# Altium PCB V1.PcbDoc (part 2 of 2)
Units mil, origin at the board's own origin, x right, y up, seen from the top; angles counter-clockwise.
Board outline 2135 x 4240 mil, 6 copper layers (Top Layer, Int1 (GND), Int2 (Sign), Int3 (Sign), Int4 (PWR), Bottom Layer), stack 61.068 mil thick; 157 components, 138 nets, 649 pads, 203 vias.
Unrouted connection lines stored in the file: 30.
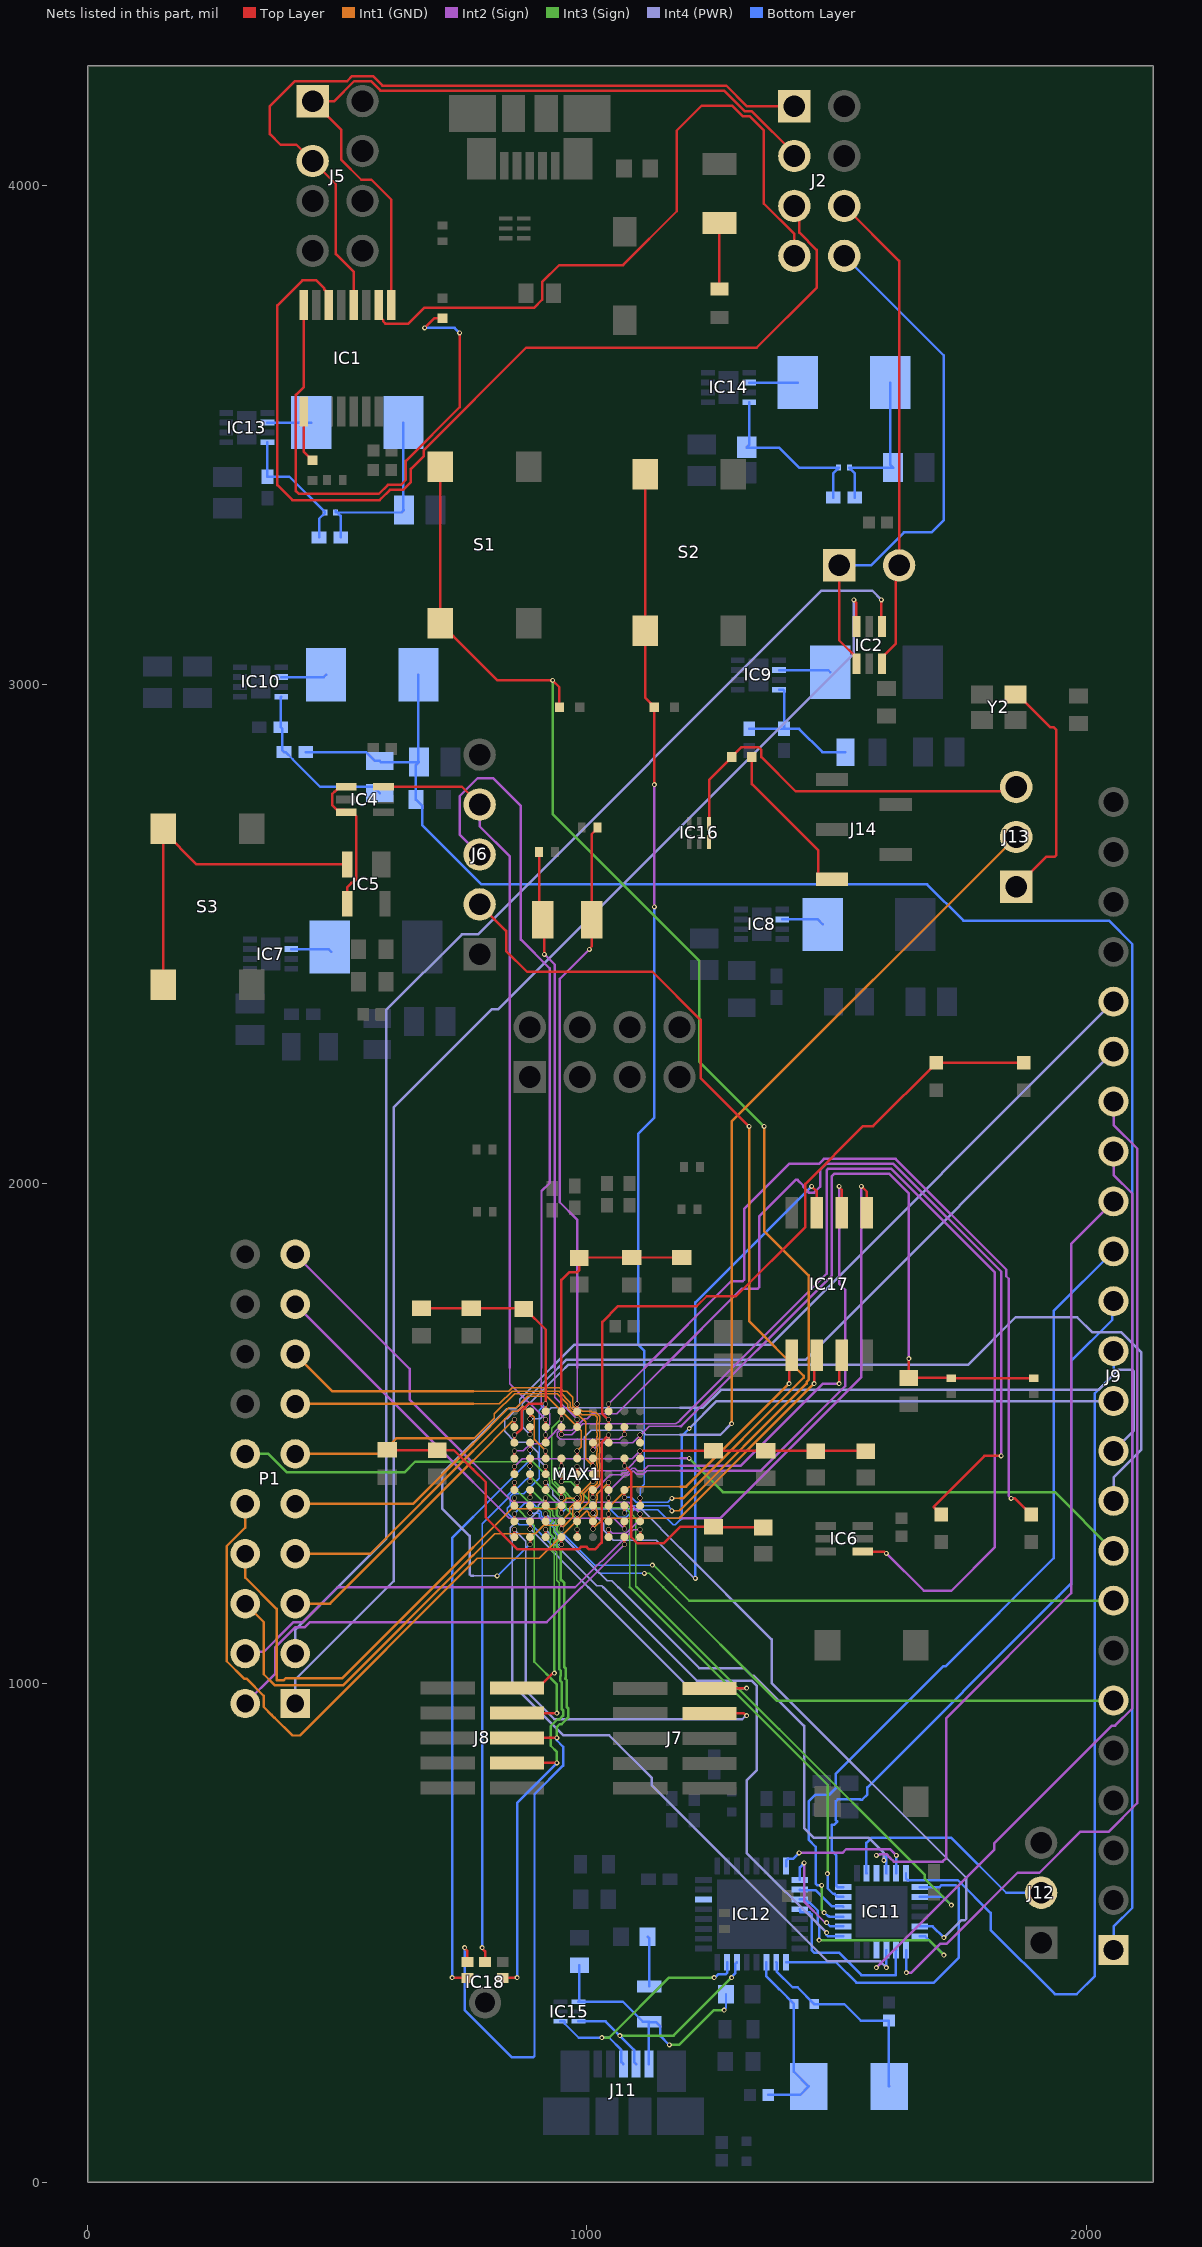
[diagram p6: the nets of this part, all layers, seen from the top]

## Via types
v1: diameter 10, hole 5, Top Layer to Bottom Layer, 122 vias
v2: diameter 10, hole 8, Top Layer to Bottom Layer, 81 vias

## Nets (pads, with @x,y where several pads share a name; then routed paths per layer and width w, separated by ;. In a path a pad name is that pad's centre, name@x,y a point inside that pad or via, vN(x,y) a via of type N, cw(c..) or ccw(c..) an arc to the next point about the centre after c; other vN are vias at no path point) (continued)
NetC26_1: C26.1 C27.2 C29.1 J9.1 L4.2 R13.1 | length 4096.9
  Bottom Layer w5: R13.1@436.65,2865 557.83,2865 575.55,2847.28 C29.1@585,2847.28 587.28,2845 C26.1@663.5,2845 ; L4.2@662.52,3020 662.52,2845.98 C26.1@663.5,2845 ; J9.1@2055,465 2055,511.97 2092.5,549.47 2092.5,2480.53 2045.53,2527.5 1754.13,2527.5 1681.65,2599.98 788.48,2599.98 670.3,2718.16 670.3,2757.15 C27.2@657.44,2770 657.44,2838.94 C26.1@663.5,2845
NetC28_2: C28.2 IC9.4 R11.1 R12.2 | length 299.1
  Bottom Layer w5: R11.1@1325,2911.65 R12.2@1395,2911.65 ; IC9.4@1385,2990 1392.87,2990 1395,2987.87 R12.2@1395,2911.65 ; C28.2@1517.72,2865 1471.75,2865 1425.1,2911.65 R12.2@1395,2911.65
NetC29_2: C29.2 IC10.4 R10.1 R13.2 | length 340.2
  Bottom Layer w5: IC10.4@387.68,2975.94 387.56,2975.94 386.65,2975.04 R10.1@386.65,2915 390,2911.65 390,2868.35 R13.2@393.35,2865 396.3,2865 410.68,2850.62 410.68,2850.26 465.31,2795.63 572.09,2795.63 C29.2@585,2782.72
NetC37_1: C37.1 C39.2 L5.2 R16.1 | length 371.8
  Bottom Layer w5: C39.2@496.65,3345 496.65,3348.32 C39.2@499.97,3345 ; R16.1@506.65,3295 506.65,3338.32 C39.2@499.97,3345 ; L5.2@632.52,3525 632.52,3350.98 C37.1@633.5,3350 628.5,3345 C39.2@499.97,3345
NetC38_1: C38.1 C40.2 L6.2 R17.1 | length 324.6
  Bottom Layer w5: R17.1@1536.65,3375 1536.65,3423.35 1525.83,3434.17 C40.2@1525.83,3435 C38.1@1613.5,3435 1607.52,3440.98 L6.2@1607.52,3605
NetC39_1: C39.1 IC13.4 R15.1 R16.2 | length 269
  Bottom Layer w5: IC13.4@360,3485.63 R15.1@360,3416.65 404.17,3416.65 475,3345.83 C39.1@475,3345 475,3344.17 463.35,3332.52 R16.2@463.35,3295
NetC40_1: C40.1 IC14.4 R14.1 R17.2 | length 357.9
  Bottom Layer w5: IC14.4@1325,3565.94 1325,3480.59 R14.1@1320,3475.59 1320.59,3475 1385,3475 1425,3435 C40.1@1504.17,3435 1504.17,3434.17 1493.35,3423.35 R17.2@1493.35,3375
NetC41_2: C41.2 C42.2 FL1.1 IC15.1 J11.1 | length 560.4
  Int3 (Sign) w5: v1(1165,275) 1184.32,275 1254.32,345 v1(1275,345)
  Bottom Layer w5: IC15.1@983.11,361.69 IC15.1@984.33,361.69 ; C42.2@985,434.45 985,362.36 IC15.1@984.33,361.69 ; J11.1@1124.15,236.73 FL1.1@1124.15,320.73 ; v1(1165,275) 1147.11,292.89 1147.11,312.26 1138.64,320.73 FL1.1@1124.15,320.73 ; v1(1275,345) 1275,346.35 1278.62,349.98 C41.2@1278.62,377.01 ; IC15.1@984.33,361.69 1072.09,361.69 1112.2,321.57 FL1.1@1125,321.57 FL1.1@1124.15,320.73
NetC43_2: C43.2 FL1.2 IC12.30 | length 101.1
  Bottom Layer w5: C43.2@1121.38,492.01 1125,488.39 FL1.2@1125,392.44
NetC45_1: C45.1 IC12.18 R18.2 Y1.1 | length 416.6
  Bottom Layer w5: IC12.18@1379.21,440.55 1380.12,439.65 1380.12,422.55 1411.91,390.76 1421.91,390.76 1455.18,357.5 R18.2@1455.18,357.01 1515.51,357.01 1548.62,323.9 C45.1@1605,323.9 1605,192.72 Y1.1@1605.71,192.01
NetC46_1: C46.1 IC12.19 R18.1 Y1.2 | length 372.2
  Bottom Layer w5: IC12.19@1359.53,440.55 1359.53,412.3 1384.75,387.08 1385.25,387.08 1414.82,357.5 R18.1@1414.82,357.01 1414.82,221.48 Y1.2@1444.29,192.01 1427.28,175 C46.1@1363.11,175
NetC47_2: C47.2 C48.2 MAX1.D8 | length 448.2
  Top Layer w5: MAX1.D8@1075,1450.02 v2(1075,1434.94) 1076.35,1434.94 1088.82,1422.48 1088.82,1292.43 1101.29,1279.96 1153.69,1279.96 1186.81,1313.09 1187.01,1313.09 C47.2@1253.5,1313.09 1254.68,1311.91 C48.2@1353.5,1311.91
NetC51_2: C51.2 C52.2 C53.2 C54.2 MAX1.D9 MAX1.E1 | length 747.9
  Top Layer w5: MAX1.E1@854.53,1418.52 v2(854.53,1433.59) ; MAX1.D9@1106.5,1450.02 v2(1106.5,1465.09) 1107.06,1465.65 C51.2@1253.5,1465.65 C52.2@1358.5,1465.65 1557.32,1465.65 C54.2@1558.5,1464.46
  Int2 (Sign) w3: v2(854.53,1433.59) 870.28,1449.34 1090.75,1449.34 v2(1106.5,1465.09)
NetC55_2: C55.2 C56.2 C57.2 MAX1.A3 MAX1.C1 MAX1.J4 | length 969.2
  Top Layer w5: C55.2@668.5,1750.65 C56.2@768.5,1750.65 872.32,1750.65 C57.2@873.5,1749.46 876.06,1749.46 917.52,1708.01 v2(917.52,1559.57) ; MAX1.C1@854.53,1481.51 v2(854.53,1496.58) 855.88,1496.58 869.6,1510.3 869.6,1545.86 883.32,1559.57 v2(917.52,1559.57) ; MAX1.A3@917.52,1544.5 v2(917.52,1559.57) ; v2(949.02,1277.46) MAX1.J4@949.02,1292.54
  Bottom Layer w3: v2(917.52,1559.57) 905,1547.06 905,1410.4 873.69,1379.1 851.01,1379.1 846.03,1374.12 846.03,1356.03 840,1350 840,1341.61 864.15,1317.46 889.54,1317.46 929.54,1277.46 v2(949.02,1277.46)
NetC58_2: C58.2 MAX1.B8 | length 2054.9
  Top Layer w5: v2(1075,1497.94) MAX1.B8@1075,1513.01 ; C58.2@1710,1337.56 1694.45,1353.11 1796.35,1455 v1(1830,1455)
  Int2 (Sign) w3: v2(1075,1497.94) 1065.15,1488.08 946.85,1488.08 945.49,1489.44 940.52,1494.42 940.52,1501.46 945.49,1506.44 970.89,1506.44 994.45,1530 1000.55,1530 1010.55,1540 1060,1540 1152.02,1632.02
  Int2 (Sign) w5: 1152.02,1632.02 1310,1790 1342.07,1790 1345,1792.93 1345,1935 1417.93,2007.93 1422.07,2007.93 1433.45,1996.55 1433.45,1993.88 1444.82,1982.5 1455.18,1982.5 1466.98,1994.3 1466.98,2028.2 1478.79,2040 1614.14,2040 1830,1824.14 1830,1460
NetC59_2: C59.2 MAX1.A7 | length 1705.6
  Top Layer w5: MAX1.A7@1043.5,1544.5 v2(1043.5,1559.57) ; v1(1850,1370) 1857.56,1370 C59.2@1890,1337.56
  Int2 (Sign) w3: v2(1043.5,1559.57) 1115.95,1632.02
  Int2 (Sign) w5: 1115.95,1632.02 1288.93,1805 1312.07,1805 1315,1807.93 1315,1950 1405,2040 1464.64,2040 1474.64,2050 1618.28,2050 1840,1828.28 1840,1815 1845,1810 1845,1375 v1(1850,1370)
NetC60_2: C60.2 C61.2 MAX1.C7 | length 799.2
  Top Layer w5: C60.2@600,1467.56 601.18,1466.38 C61.2@700,1466.38 733.5,1466.38 772.01,1427.87 797.41,1402.47 797.41,1331.87 861.32,1267.96 982.96,1267.96 987.93,1272.93 999.45,1272.93 1004.42,1267.96 1015.94,1267.96 1029.24,1281.27 1029.24,1482.32 v2(1043.5,1496.58) MAX1.C7@1043.5,1481.51
NetC62_2: C62.2 C63.2 C64.2 MAX1.A4 MAX1.D1 MAX1.J5 | length 962.4
  Top Layer w5: MAX1.D1@854.53,1450.02 v2(854.53,1465.09) ; v2(949.02,1529.43) MAX1.A4@949.02,1544.5 949.02,1807.69 964.13,1822.8 979.87,1822.8 985,1827.93 C62.2@985,1851.38 986.18,1852.56 C63.2@1090,1852.56 C64.2@1190,1852.56 ; MAX1.J5@980.51,1292.54 v2(980.51,1307.61)
  Int2 (Sign) w3: v2(854.53,1465.09) 872.65,1465.09 887.31,1479.74 912.7,1479.74 935.52,1502.56 935.52,1503.53 943.42,1511.44 944.39,1511.44 949.02,1516.06 v2(949.02,1529.43)
  Int3 (Sign) w3: v2(949.02,1529.43) 930,1510.42 930,1412.07 930,1408.71 931.02,1407.69 931.02,1401 951.57,1380.45 952.54,1380.45 957.52,1375.47 957.52,1350.08 980.51,1327.08 v2(980.51,1307.61)
NetC66_2: C66.2 C67.2 MAX1.B7 | length 1326.2
  Top Layer w5: MAX1.B7@1043.5,1513.01 v2(1043.5,1528.08) 1042.15,1528.08 1030.93,1539.3 1030.93,1723.67 1062.27,1755 1220,1755 1240,1775 1298.59,1775 1437.5,1913.91 1437.5,2000.18 1553.05,2115.73 1573.17,2115.73 C66.2@1700,2242.56 C67.2@1875,2242.56
NetC69_2: C69.2 C70.2 C71.2 MAX1.C6 MAX1.C9 | length 1645
  Top Layer w5: v2(1012.01,1466.44) MAX1.C6@1012.01,1481.51 ; MAX1.C9@1106.5,1481.51 v2(1106.5,1496.58) ; v1(1645,1650) C69.2@1645,1611.38 1729.37,1611.38 C70.2@1730,1610.75 C71.2@1895,1610.75
  Int2 (Sign) w3: v2(1012.01,1466.44) 1027.08,1481.51 1091.43,1481.51 v2(1106.5,1496.58) 1124.49,1514.58 1187.01,1514.58
  Int2 (Sign) w5: 1187.01,1514.58 1188.72,1514.58 1490,1815.86 1490,2015 1495,2020 1605.86,2020 1645,1980.86 v1(1645,1650)
NetC73_2: C73.2 MAX1.B5 Y3.1 | length 1183.6
  Top Layer w5: C73.2@904.25,2665 904.25,2536.15 915,2525.4 v1(915,2460) ; MAX1.B5@980.51,1513.01 v2(980.51,1528.08)
  Int2 (Sign) w3: 935.53,1632.02 935.53,1573.06 v2(980.51,1528.08)
  Int2 (Sign) w5: v1(915,2460) 935.53,2439.47 935.53,1632.02
NetC74_2: C74.2 MAX1.A5 Y3.2 | length 1215.5
  Top Layer w5: MAX1.A5@980.51,1544.5 v2(980.51,1559.57) ; v1(1005,2470) 1005,2471.35 1009.72,2476.08 Y3.2@1009.72,2529.1 1009.72,2700.6 1021.26,2712.13 C74.2@1021.26,2714.1
  Int2 (Sign) w3: v2(980.51,1559.57) 980.51,1632.02
  Int2 (Sign) w5: 980.51,1632.02 980.51,1928.31 945.53,1963.29 945.53,2410.53 v1(1005,2470)
NetIC1_1: IC1.1 J2.3 J5.1 | length 1531.6
  Top Layer w5: IC1.1@607.99,3760.87 607.99,3971.7 568.09,4011.6 547.94,4011.6 508.03,4051.51 508.03,4111.58 J5.1@450.51,4169.1 493.97,4169.1 533.95,4209.08 567.07,4209.08 586.15,4190 1275,4190 1315.9,4149.1 1330.04,4149.1 1415.51,4063.63 J2.3@1415.51,4059.1
NetIC1_2: IC1.2 J2.7 | length 1394.7
  Top Layer w5: IC1.2@583.03,3760.87 583.03,3739.4 591.93,3730.5 591.93,3727.73 596.32,3723.33 642.33,3723.33 673.99,3755 894.1,3755 910.22,3771.11 910.22,3806.5 944.49,3840.78 1072.36,3840.78 1180,3948.42 1180,4110 1230,4160 1290.86,4160 1311.76,4139.1 1325.9,4139.1 1354.52,4110.48 1354.52,3963.55 1415.51,3902.56 J2.7@1415.51,3859.1
NetIC1_4: IC1.4 J2.1 J5.3 | length 1586.6
  Top Layer w5: IC1.4@533.03,3760.87 533.03,3826.51 497.03,3862.51 497.03,4002.58 J5.3@450.51,4049.1 417.86,4081.75 386.18,4081.75 365,4102.93 365,4159.16 414.92,4209.08 519.81,4209.08 529.81,4219.08 571.21,4219.08 590.3,4200 1279.14,4200 1320.04,4159.1 J2.1@1415.51,4159.1
NetIC1_6: IC1.6 J2.5 | length 1991.3
  Top Layer w5: IC1.6@483.03,3760.87 483.03,3782.35 474.06,3791.33 474.06,3794.02 458.19,3809.88 429.88,3809.88 380,3760 380,3400 410,3370 585,3370 587.07,3372.07 605.3,3390.3 631.31,3390.3 647.42,3406.4 647.42,3432.42 673.33,3458.33 673.33,3470.11 878.21,3675 1340,3675 1460,3795 1460,3871.15 1425.51,3905.64 1425.51,3949.1 J2.5@1415.51,3959.1
NetIC1_8: IC1.8 R3.2 | length 1070.7
  Top Layer w5: IC1.8@433.03,3760.87 433.03,3596.54 416.97,3580.48 416.97,3388.03 422.93,3382.07 582.93,3382.07 601.15,3400.3 627.17,3400.3 637.42,3410.55 637.42,3448.35 745,3555.93 v1(745,3705) ; v1(675,3715) 693.93,3733.93 R3.2@710.51,3733.93
  Bottom Layer w5: v1(675,3715) 735,3715 v1(745,3705)
NetIC1_9: IC1.9 R5.2 | length 105.4
  Top Layer w5: IC1.9@433.03,3547.33 433.03,3466.44 450.02,3449.46 R5.2@450.51,3449.46
NetIC2_1: IC2.1 J2.8 J3.1 | length 1070.5
  Top Layer w5: J3.1@1505.51,3239.1 1505.51,3088.91 1539.92,3054.5 IC2.1@1539.92,3041.7
  Bottom Layer w5: J3.1@1505.51,3239.1 1568.97,3239.1 1634.87,3305 1690,3305 1715,3330 1715,3617.93 1714.61,3618.31 1714.61,3660 J2.8@1515.51,3859.1
NetIC2_3: IC2.3 J2.6 J3.2 | length 977.2
  Top Layer w5: J2.6@1515.51,3959.1 1625.51,3849.1 J3.2@1625.51,3239.1 1618.31,3231.9 1618.31,3081.7 1591.1,3054.5 IC2.3@1591.1,3041.7
NetIC2_4: IC2.4 P1.3 | length 2766.5
  Top Layer w5: v1(1590,3170) 1590,3117.61 IC2.4@1591.1,3116.5
  Int4 (PWR) w5: P1.3@415.51,1059.1 415.51,1106.74 597.65,1288.88 597.65,2348.22 749.41,2499.98 781.52,2499.98 1470,3188.46 1571.54,3188.46 v1(1590,3170)
NetIC2_6: IC2.6 P1.1 | length 2737.6
  Top Layer w5: v1(1535,3170) 1535,3168.65 1539.92,3163.73 IC2.6@1539.92,3116.5
  Int4 (PWR) w5: P1.1@415.51,959.1 415.51,1006.74 612.76,1203.98 612.76,2152.76 810,2350 822.68,2350 1535,3062.32 v1(1535,3170)
NetIC4_1: IC4.1 IC4.3 IC5.3 | length 298.3
  Top Layer w5: IC4.1@517.6,2795.59 504.8,2795.59 494.59,2785.37 493.82,2785.37 489.43,2780.98 489.43,2759.02 498.67,2749.78 512.22,2749.78 IC4.3@517.6,2744.41 530.39,2744.41 538.33,2736.48 538.33,2611.11 530.05,2602.83 528.28,2602.83 520,2594.55 IC5.3@520,2561.26
NetIC4_6: IC4.6 J6.4 MAX1.B3 | length 1509.2
  Top Layer w5: IC4.6@592.4,2795.59 749.41,2795.59 J6.4@785,2760 ; MAX1.B3@917.52,1513.01 v2(917.52,1528.08)
  Int2 (Sign) w3: 845.53,1632.02 845.53,1600.07 v2(917.52,1528.08)
  Int2 (Sign) w5: J6.4@785,2760 785,2716.54 845.53,2656.01 845.53,1632.02
NetIC5_2: IC5.2 S3.3 S3.4 | length 709.2
  Top Layer w5: S3.4@151.42,2398.5 S3.3@151.42,2706.57 ; S3.3@151.42,2711.5 S3.3@151.42,2706.57 ; IC5.2@520,2640 217.99,2640 S3.3@151.42,2706.57
NetIC6_4: IC6.4 MAX1.B4 | length 2194.5
  Top Layer w5: v2(949.02,1497.94) MAX1.B4@949.02,1513.01 ; IC6.4@1552.91,1263.51 1595.14,1263.51 1598.65,1260 v1(1600,1260)
  Int2 (Sign) w3: v2(949.02,1497.94) 969.85,1497.94 991.49,1519.58 1178.16,1519.58 1181.59,1523.01 1183.01,1523.01 1187.01,1527.01
  Int2 (Sign) w5: 1187.01,1527.01 1480,1820 1480,2027.07 1482.93,2030 1610,2030 1817.5,1822.5 1817.5,1272.5 1730,1185 1675,1185 v1(1600,1260)
NetIC7_2: IC7.2 L1.1 | length 82
  Bottom Layer w5: IC7.2@407.68,2470.31 482.17,2470.31 L1.1@487.48,2465
NetIC8_2: IC8.2 L2.1 | length 85.2
  Bottom Layer w5: IC8.2@1391.34,2529.84 1462.64,2529.84 L2.1@1472.48,2520
NetIC9_2: IC9.2 L3.1 | length 104.3
  Bottom Layer w5: IC9.2@1385,3029.37 1483.11,3029.37 L3.1@1487.48,3025
NetIC10_2: IC10.2 L4.1 | length 91.7
  Bottom Layer w5: IC10.2@387.68,3015.31 472.8,3015.31 L4.1@477.48,3020
NetIC11_1: IC11.1 J9.18 | length 2073.9
  Int2 (Sign) w5: v1(1640,420) 1650,420 1707.5,477.5 1720.18,477.5 1862.66,619.98 1906.52,619.98 1989.04,702.5 2045.53,702.5 2102.5,759.47 2102.5,2070.53 2055,2118.03 J9.18@2055,2165
  Bottom Layer w5: IC11.1@1639.21,465.24 1639.61,464.84 1639.61,420.39 v1(1640,420)
NetIC11_2: IC11.2 IC12.12 | length 342.6
  Bottom Layer w5: IC12.12@1426.46,546.85 1427.36,545.94 1427.36,540.57 1446.3,540.57 1450.69,536.18 1450.69,464.31 1455,460 1505,460 1550,415 1618.62,415 1618.62,464.33 IC11.2@1619.53,465.24
NetIC11_3: IC11.3 MAX1.G3 | length 1461.5
  Top Layer w5: MAX1.G3@917.52,1355.53 v2(917.52,1370.6)
  Int4 (PWR) w3: 850,1192.02 850,1290 846.03,1293.97 846.03,1311.13 863.1,1328.2 885.79,1328.2 902.86,1345.27 902.86,1355.94 v2(917.52,1370.6)
  Int4 (PWR) w5: 850,1192.02 850,998.18 952.85,895.33 1044.67,895.33 1130,810 1130,795 1482.5,442.5 1587.5,442.5 v1(1600,430)
  Bottom Layer w5: IC11.3@1599.84,465.24 1599.92,465.16 1599.92,430.08 v1(1600,430)
NetIC11_4: IC11.4 J9.17 | length 1866.4
  Int2 (Sign) w5: v1(1580,430) 1816.46,666.46 1816.46,679.49 2051.97,915 2058.03,915 2092.5,949.47 2092.5,1980.53 2055,2018.03 J9.17@2055,2065
NetIC11_7: IC11.7 MAX1.J3 | length 1181.8
  Top Layer w5: MAX1.J3@917.52,1292.54 v2(917.52,1307.61)
  Int4 (PWR) w3: v2(917.52,1307.61) 940.52,1284.61 940.52,1273.94 1019.46,1195 1030,1195 1032.98,1192.02
  Int4 (PWR) w5: 1032.98,1192.02 1220,1005 1330,1005 1340,995 1340,825 1320,805 1320,660 v1(1480,500)
  Bottom Layer w5: v1(1480,500) 1479.87,499.87 1479.87,495.72 1482.8,492.8 IC11.7@1513.23,492.8
NetIC11_8: IC11.8 IC12.9 | length 214.2
  Int2 (Sign) w5: v1(1435,640) 1435,562.32 1476.37,520.96 1479.04,520.96 v1(1480,520)
  Bottom Layer w5: IC12.9@1426.46,605.91 1426.46,630.87 1435,639.41 v1(1435,640) ; v1(1480,520) 1487.52,512.48 IC11.8@1513.23,512.48
NetIC11_9: IC11.9 J9.15 | length 1656.8
  Int3 (Sign) w5: v1(1470,595) 1470,546.35 1475,541.35 v1(1475,540)
  Bottom Layer w5: v1(1470,595) 1469.69,595.31 1461.12,595.31 1458.19,598.24 1458.19,672.12 1444,686.31 1444,763.11 1457,776.11 1485.21,776.11 1498.21,789.11 1498.21,818.03 1714.19,1034.01 1719.01,1034.01 1935,1250 1935,1745 J9.15@2055,1865 ; v1(1475,540) 1476.35,540 1483.85,532.5 1485.18,532.5 1485.51,532.17 IC11.9@1513.23,532.17
NetIC11_10: IC11.10 IC12.10 | length 101
  Bottom Layer w5: IC12.10@1426.46,586.22 1427.36,585.31 1458.19,585.31 1490.75,552.76 1512.32,552.76 IC11.10@1513.23,551.85
NetIC11_11: IC11.11 MAX1.D4 | length 1184.6
  Top Layer w5: v2(949.02,1434.94) MAX1.D4@949.02,1450.02
  Int3 (Sign) w3: v2(949.02,1434.94) 935,1420.93 935,1410.78 936.02,1409.76 936.02,1403.07 953.64,1385.45 954.61,1385.45 962.52,1377.54 962.52,1376.57 977.01,1362.08 988.13,1350.96 1076.52,1350.96 1085.5,1341.98 1085.5,1192.68 1086.16,1192.02
  Int3 (Sign) w5: 1086.16,1192.02 1482.5,795.68 1482.5,618.75 v1(1481.88,618.12)
  Bottom Layer w5: v1(1481.88,618.12) 1482.5,617.5 1482.5,588.7 1493.39,577.81 1496.12,577.81 1502.4,571.54 IC11.11@1513.23,571.54
NetIC11_12: IC11.12 J9.14 | length 1459.4
  Bottom Layer w5: IC11.12@1513.23,591.22 1502.4,591.22 1499,594.63 1499,655.36 1490.1,664.26 1490.1,716.51 1495.75,716.51 1501.72,722.48 1498.21,725.99 1498.21,762.91 1502.6,767.3 1547.4,767.3 1547.99,766.71 1551.54,766.71 1561.79,776.96 1561.79,791.11 1945,1174.31 1970,1199.31 1970,1645.06 2052.44,1727.5 2052.44,1762.44 J9.14@2055,1765
NetIC11_14: IC11.14 J12.2 | length 461.1
  Bottom Layer w5: IC11.14@1560.47,618.78 1560,619.25 1560,680 1570,690 1730,690 1840,580 J12.2@1910,580
NetIC11_15: IC11.15 J9.16 | length 1604.1
  Int2 (Sign) w5: v1(1580,655) 1580.96,655.96 1585.96,655.96 1587.32,657.32 1600.18,657.32 1607.5,650 1607.5,649.82 1614.82,642.5 1712.5,642.5 1720,650 1720,930 1970,1180 1970,1880 J9.16@2055,1965
NetIC11_16: IC11.16 MAX1.H3 | length 1163.2
  Top Layer w5: MAX1.H3@917.52,1324.03 v2(917.52,1339.1)
  Int4 (PWR) w3: v2(917.52,1339.1) 940.52,1316.11 940.52,1305.44 1040.96,1205 1050,1205 1062.98,1192.02
  Int4 (PWR) w5: 1062.98,1192.02 1225,1030 1315,1030 1330,1015 1334.14,1015 1435,914.14 1435,710 1455,690 1565,690 1595,660 v1(1595,644.82)
  Bottom Layer w5: v1(1595,644.82) 1595,650 1599.92,654.92 1599.92,618.86 IC11.16@1599.84,618.78
NetIC11_17: IC11.17 IC12.8 | length 283.1
  Int2 (Sign) w5: v1(1425,660) 1512.02,660 1519.52,667.5 1607.5,667.5 v1(1620,655)
  Bottom Layer w5: IC12.8@1398.9,633.46 1398.9,644.29 1402.3,647.7 1412.7,647.7 v1(1425,660) ; IC11.17@1619.53,618.78 1619.76,619.02 1619.76,654.76 v1(1620,655)
NetIC11_18: IC11.18 J9.13 | length 1786.5
  Bottom Layer w5: IC11.18@1639.21,618.78 1639.21,608.41 1642.62,605 1743.28,605 1808.85,539.44 1808.85,505.58 1937.36,377.07 1981.21,377.07 2017.5,413.36 2017.5,1580.53 2055,1618.03 J9.13@2055,1665
NetIC11_19: IC11.19 IC12.17 | length 605
  Bottom Layer w5: IC12.17@1398.9,440.55 1499.43,440.55 1539.98,400 1695,400 1745,450 1745,589.14 1739.14,595 1710.26,595 1706.48,591.22 IC11.19@1666.77,591.22
NetIC11_20: IC11.20 MAX1.E4 | length 1307
  Top Layer w5: v2(949.02,1403.45) MAX1.E4@949.02,1418.52
  Int3 (Sign) w3: v2(949.02,1403.45) 967.14,1403.45 1008.49,1362.1 1065.38,1362.1 1071.52,1355.96 1081.42,1355.96 1090.5,1346.88 1090.5,1336.98 1098,1329.48 1098,1194.33 1100.3,1192.02
  Int3 (Sign) w5: 1100.3,1192.02 1384.87,907.46 1385.22,907.46 1677.11,615.57 1677.11,607.89 v1(1730,555)
  Bottom Layer w5: IC11.20@1666.77,571.54 1713.46,571.54 v1(1730,555)
NetIC11_23: IC11.23 MAX1.F3 | length 1443.5
  Top Layer w5: MAX1.F3@917.52,1387.02 v2(917.52,1402.09)
  Int4 (PWR) w3: v2(917.52,1402.09) 931.99,1387.63 931.99,1376.96 959.99,1348.96 1108.66,1348.96 1187.01,1270.61
  Int4 (PWR) w5: 1187.01,1270.61 1370,1087.62 1370,1000 1760,610 1760,527.93 1757.07,525 1750,525 v1(1715,490)
  Bottom Layer w5: IC11.23@1666.77,512.48 1692.52,512.48 v1(1715,490)
NetIC11_24: IC11.24 IC12.11 | length 432
  Int3 (Sign) w5: v1(1465,485) 1685,485 v1(1715,455)
  Bottom Layer w5: IC12.11@1426.46,566.54 1437.28,566.54 1443.56,560.26 1446.3,560.26 1462.5,544.05 1462.5,516.45 1465,513.95 v1(1465,485) ; IC11.24@1666.77,492.8 1677.6,492.8 1715,455.39 v1(1715,455)
NetIC12_22: IC12.22 IC15.3 J11.2 | length 472.2
  Int3 (Sign) w5: v1(1066.13,293.74) 1173.74,293.74 v1(1290,410)
  Bottom Layer w5: IC15.3@983.11,322.32 1037.55,322.32 1094.7,265.17 1094.7,240.59 J11.2@1098.56,236.73 ; v1(1290,410) 1290,411.35 1297.07,418.42 1297.07,437.15 IC12.22@1300.47,440.55
NetIC12_23: IC12.23 IC15.4 J11.3 | length 504
  Int3 (Sign) w5: v1(1030,290) 1044.7,290 1164.7,410 v1(1255,410)
  Bottom Layer w5: IC15.4@946.89,322.32 955,322.32 955.67,321.65 955.67,317.51 983.67,289.51 1044.77,289.51 1069.11,265.17 1069.11,240.59 J11.3@1072.97,236.73 ; v1(1255,410) 1256.35,410 1262.67,416.32 1277.86,416.32 1280.79,419.25 IC12.23@1280.79,440.55
NetIC13_2: IC13.2 L5.1 | length 87.5
  Bottom Layer w5: IC13.2@360,3525 L5.1@447.48,3525
NetIC14_2: IC14.2 L6.1 | length 97.6
  Bottom Layer w5: IC14.2@1325,3605.31 1422.17,3605.31 L6.1@1422.48,3605
NetIC16_3: IC16.3 IC16.4 J13.3 R19.1 | length 815.5
  Top Layer w5: IC16.3@1244.68,2685 IC16.4@1244.68,2721.22 1244.68,2809.19 1290,2854.51 R19.1@1290,2855 1290,2855.49 1309.35,2874.84 1343.85,2874.84 1349.7,2868.98 1349.7,2855 1418.09,2786.61 1851.61,2786.61 J13.3@1860,2795
NetIC17_1: IC17.1 MAX1.J7 | length 1093.9
  Top Layer w5: MAX1.J7@1043.5,1292.54 v2(1043.5,1307.61) ; v1(1550,1995) 1560.51,1984.49 IC17.1@1560.51,1941.82
  Int2 (Sign) w3: v2(1043.5,1307.61) 1051.11,1300 1078.06,1300 1083.5,1305.44 1083.5,1305.57 1108.53,1330.6 1187.01,1330.6
  Int2 (Sign) w5: 1187.01,1330.6 1267.42,1330.6 1550,1613.18 v1(1550,1995)
NetIC17_2: IC17.2 MAX1.G7 | length 1056.4
  Top Layer w5: MAX1.G7@1043.5,1355.53 v2(1043.5,1370.6) ; v1(1505,1995) 1505,1993.65 1510.51,1988.14 IC17.2@1510.51,1941.82
  Int2 (Sign) w3: v2(1043.5,1370.6) 1043.5,1383.97 1075.98,1416.44 1082.66,1416.44 1087.64,1421.42 1089.06,1421.42 1092.72,1425.09 1093.08,1425.09 1100.08,1418.09 1112.92,1418.09 1119.92,1425.09 1187.01,1425.09
  Int2 (Sign) w5: 1187.01,1425.09 1347.77,1425.09 1517.5,1594.82 1517.5,1787.98 1505,1800.48 v1(1505,1995)
NetIC17_3: IC17.3 MAX1.G6 | length 1223.8
  Top Layer w5: v2(1012.01,1340.46) MAX1.G6@1012.01,1355.53 ; v1(1450,1995) 1460.51,1984.49 IC17.3@1460.51,1941.82
  Int4 (PWR) w3: v2(1012.01,1340.46) 1033.24,1319.23 1033.24,1305.85 1053.12,1285.96 1139.04,1285.96 1187.01,1237.99
  Int4 (PWR) w5: 1187.01,1237.99 1215,1210 v1(1217.5,1210) v1@1220,1210
  Bottom Layer w5: v1(1217.5,1210) 1217.5,1762.5 v1(1450,1995)
NetIC17_5: IC17.5 MAX1.H7 | length 551.1
  Top Layer w5: MAX1.H7@1043.5,1324.03 v2(1043.5,1339.1) ; v1(1405,1600) 1405,1650.87 IC17.5@1410.51,1656.39
  Int1 (GND) w3: v2(1043.5,1339.1) 1043.5,1352.48 1084.62,1393.59 1187.01,1393.59
  Int1 (GND) w5: 1187.01,1393.59 1198.59,1393.59 v1(1405,1600)
NetIC17_6: IC17.6 MAX1.H6 | length 637.3
  Top Layer w5: v2(1012.01,1308.96) MAX1.H6@1012.01,1324.03 ; v1(1455,1600) 1455,1650.87 IC17.6@1460.51,1656.39
  Int1 (GND) w3: v2(1012.01,1308.96) 1033.65,1330.6 1185.6,1330.6 1187.01,1332.01
  Int1 (GND) w5: 1187.01,1332.01 v1(1455,1600)
NetIC17_7: IC17.7 MAX1.F6 | length 671.7
  Top Layer w5: v2(1012.01,1371.95) MAX1.F6@1012.01,1387.02 ; v1(1505,1600) 1505,1650.87 IC17.7@1510.51,1656.39
  Int2 (Sign) w3: v2(1012.01,1371.95) 1012.96,1372.91 1012.96,1383.58 1047.24,1417.85 1069.93,1417.85 1072.17,1420.09 1073.52,1421.44 1080.59,1421.44 1085.57,1426.42 1086.99,1426.42 1090.5,1429.94 1090.5,1430.09 1095.71,1430.09 1100.71,1425.09 1112.85,1425.09 1122.85,1435.09 1187.01,1435.09
  Int2 (Sign) w5: 1187.01,1435.09 1307.77,1435.09 1472.68,1600 v1(1505,1600)
NetIC18_1: IC18.1 J8.6 MAX1.E2 | length 1695.1
  Top Layer w5: v1(755,470) 755,468.65 760.51,463.14 IC18.1@760.51,441.46 ; J8.6@860,890 v1(940,890) ; v2(886.02,1403.45) MAX1.E2@886.02,1418.52
  Int3 (Sign) w3: v2(886.02,1403.45) 887.36,1404.79 887.36,1409.02 889.24,1410.9 940,1360.14
  Int3 (Sign) w5: v1(940,890) 940,912.02 945.48,917.5 949.32,917.5 962.5,930.68 962.5,949.32 960,951.82 960,1005.61 956.21,1009.39 957.5,1010.68 957.5,1029.32 955,1031.82 955,1200.31 949.14,1206.17 948,1206.17 948,1267.96 945.08,1267.96 939.52,1273.53 939.52,1281.4 945.08,1286.96 948,1286.96 948,1299.46 945.08,1299.46 939.52,1305.03 939.52,1312.9 945.08,1318.46 948,1318.46 948,1330.96 945.08,1330.96 939.52,1336.52 939.52,1344.39 941.08,1345.95 940,1347.03 940,1360.14
  Bottom Layer w5: v1(755,470) 755,344.94 849.94,250 892.07,250 895,252.93 895,777.32 952.5,834.82 952.5,872.5 939.57,885.43 939.57,889.57 v1(940,890)
NetIC18_2: IC18.2 MAX1.C2 | length 1167
  Top Layer w5: v1(730,410) 759.61,410 IC18.2@760.51,409.1 ; v2(886.02,1466.44) MAX1.C2@886.02,1481.51
  Bottom Layer w3: 772.01,1332.95 886.02,1446.97 v2(886.02,1466.44)
  Bottom Layer w5: v1(730,410) 730,1290.94 772.01,1332.95
NetIC18_4: IC18.4 J8.8 MAX1.F2 | length 1201.3
  Top Layer w5: IC18.4@831.38,409.1 832.28,410 v1(860,410) ; J8.8@860,840 v1(940,840) ; v2(886.02,1371.95) MAX1.F2@886.02,1387.02
  Int3 (Sign) w3: v2(886.02,1371.95) 886.02,1383.69 887.78,1385.45 890.27,1385.45 931.52,1344.2 931.52,1336.04 937.94,1329.61 937.94,1319.81 933.52,1315.38 933.52,1302.54 937.94,1298.11 937.94,1288.31 933.52,1283.88 933.52,1268.22 940,1261.73 940,1205.68 945,1200.68 945,1192.02
  Int3 (Sign) w5: v1(940,840) 940,862.02 927.5,874.52 927.5,913.66 941.34,927.5 945.18,927.5 952.5,934.82 952.5,945.18 950,947.68 950,1001.46 946.21,1005.25 946.21,1013.54 947.5,1014.82 947.5,1025.18 945,1027.68 945,1192.02
  Bottom Layer w5: v1(860,410) 860,760 v1(940,840)
NetIC18_6: IC18.6 MAX1.D2 | length 1054.1
  Top Layer w5: v1(790,470) 790,468.65 795.94,462.7 IC18.6@795.94,441.46 ; v2(886.02,1434.94) MAX1.D2@886.02,1450.02
  Bottom Layer w3: 790,1192.02 790,1319.45 841.03,1370.47 841.03,1376.19 848.94,1384.1 854.65,1384.1 870.5,1399.95 886.02,1415.47 v2(886.02,1434.94)
  Bottom Layer w5: v1(790,470) 790,1192.02
NetJ6_2: J6.2 MAX1.F8 | length 1846.2
  Top Layer w5: J6.2@785,2560 838.24,2506.76 838.24,2466.76 880,2425 1131.15,2425 1227.6,2328.56 1227.6,2212.4 v1(1325,2115) ; v2(1075,1371.95) MAX1.F8@1075,1387.02
  Int1 (GND) w3: v1(1170,1370) 1187.01,1370
  Int1 (GND) w5: 1187.01,1370 1192.68,1370 1434.27,1611.59 1434.27,1615.73 1325,1725 v1(1325,2115)
  Bottom Layer w3: v2(1075,1371.95) 1088.53,1371.95 1098.38,1362.1 1162.1,1362.1 v1(1170,1370)
NetJ6_3: J6.3 MAX1.C3 | length 1611
  Top Layer w5: MAX1.C3@917.52,1481.51 v2(917.52,1496.58)
  Int2 (Sign) w3: 909.02,1632.02 909.02,1556.05 926.02,1539.05 926.02,1519.02 917.52,1510.52 v2(917.52,1496.58)
  Int2 (Sign) w5: J6.3@785,2660 745,2700 745,2776.54 781.39,2812.93 812.07,2812.93 867.75,2757.25 867.75,2489.58 925.49,2431.83 925.49,2002.18 909.02,1985.71 909.02,1632.02
NetJ7_2: J7.2 MAX1.H2 | length 656
  Top Layer w5: v2(886.02,1308.96) MAX1.H2@886.02,1324.03 ; J7.2@1245.51,989.1 1246.41,990 v1(1320,990)
  Int4 (PWR) w3: v2(886.02,1308.96) 1002.96,1192.02
  Int4 (PWR) w5: 1002.96,1192.02 1204.98,990 v1(1320,990)
NetJ7_4: J7.4 MAX1.J1 | length 892.9
  Top Layer w5: MAX1.J1@854.53,1292.54 v2(854.53,1307.61) ; J7.4@1245.51,939.1 1314.54,939.1 1318.65,935 v1(1320,935)
  Int4 (PWR) w3: v2(854.53,1307.61) 877.52,1284.61 877.52,1192.02
  Int4 (PWR) w5: 877.52,1192.02 877.52,984.8 934.82,927.5 1311.15,927.5 1318.65,935 v1(1320,935)
NetJ8_2: J8.2 MAX1.F1 | length 541.9
  Top Layer w5: MAX1.F1@854.53,1387.02 v2(854.53,1402.09) ; J8.2@860,990 901.73,990 930.78,1019.04 934.04,1019.04 v1(935,1020)
  Int3 (Sign) w3: v2(854.53,1402.09) 855.48,1401.14 855.48,1390.47 894.44,1351.52 917.13,1351.52 926.52,1342.13 926.52,1331.14 932.94,1324.71 926.52,1318.28 926.52,1299.64 932.94,1293.21 926.52,1286.78 926.52,1268.14 935,1259.66 935,1192.02
  Int3 (Sign) w5: v1(935,1020) 935,1192.02
NetJ8_4: J8.4 MAX1.G1 | length 563.8
  Top Layer w5: MAX1.G1@854.53,1355.53 v2(854.53,1370.6) ; J8.4@860,940 v1(940,940)
  Int3 (Sign) w3: v2(854.53,1370.6) 853.19,1369.26 853.19,1363.7 851.24,1361.76 851.24,1358.76 894.52,1315.48 894.52,1192.02
  Int3 (Sign) w5: 894.52,1192.02 894.52,1042.8 940,997.32 v1(940,940)
NetJ9_6: J9.6 MAX1.G2 | length 1347
  Top Layer w5: v2(886.02,1340.46) MAX1.G2@886.02,1355.53
  Int3 (Sign) w3: v1(1115,1220) 1125,1220 1152.98,1192.02
  Int3 (Sign) w5: 1152.98,1192.02 1380,965 J9.6@2055,965
  Bottom Layer w3: v2(886.02,1340.46) 904.02,1340.46 904.02,1333.51 911.93,1325.6 919,1325.6 935.52,1309.09 935.52,1303.37 943.42,1295.46 949.14,1295.46 1013.34,1231.26 1024.6,1220 v1(1115,1220)
NetJ9_8: J9.8 MAX1.H1 | length 1314.2
  Top Layer w5: MAX1.H1@854.53,1324.03 v2(854.53,1339.1)
  Int3 (Sign) w3: v1@1130,1235 v1(1131.26,1236.26) 1133.74,1236.26 1177.98,1192.02
  Int3 (Sign) w5: 1177.98,1192.02 1205,1165 J9.8@2055,1165
  Bottom Layer w3: v2(854.53,1339.1) 875.43,1360 891.55,1360 909.02,1342.53 909.02,1335.58 914,1330.6 921.07,1330.6 940.52,1311.16 940.52,1305.44 945.49,1300.46 951.21,1300.46 1015.41,1236.26 v1(1131.26,1236.26)
NetJ9_9: J9.9 MAX1.E5 | length 1179.4
  Top Layer w5: MAX1.E5@980.51,1418.52 v2(980.51,1433.59)
  Int2 (Sign) w3: v2(980.51,1433.59) 989.01,1425.09 1070.1,1425.09 1071.45,1426.44 1078.52,1426.44 1083.5,1431.42 1083.5,1432.16 ; 1084.5,1432.42 1102.08,1450 1187.01,1450
  Int2 (Sign) w5: 1187.01,1450 v1(1205,1450)
  Int3 (Sign) w5: v1(1205,1450) 1272.5,1382.5 1937.5,1382.5 J9.9@2055,1265
NetJ9_10: J9.10 MAX1.B2 | length 1735.4
  Top Layer w5: v2(886.02,1497.94) MAX1.B2@886.02,1513.01
  Int4 (PWR) w3: v2(886.02,1497.94) 871.24,1512.72 871.24,1546.24 957.02,1632.02
  Int4 (PWR) w5: 957.02,1632.02 962.5,1637.5 1763.23,1637.5 1858.66,1732.93 1982.07,1732.93 2012.5,1702.5 2070.53,1702.5 2110,1663.03 2110,1466.97 2055,1411.97 J9.10@2055,1365
NetJ9_11: J9.11 MAX1.A2 | length 1442.6
  Top Layer w5: v2(886.02,1529.43) MAX1.A2@886.02,1544.5
  Int4 (PWR) w3: v2(886.02,1529.43) 906.85,1529.43 928.49,1551.07 1187.01,1551.07
  Int4 (PWR) w5: 1187.01,1551.07 1231.93,1551.07 1268.36,1587.5 2024.47,1587.5 2064.47,1627.5 2070.53,1627.5 2070.96,1627.93 2092.07,1627.93 2095,1625 2095,1505 J9.11@2055,1465
NetJ9_12: J9.12 MAX1.G4 | length 1349.9
  Top Layer w5: v2(949.02,1340.46) MAX1.G4@949.02,1355.53
  Int4 (PWR) w5: v1(1205,1510) 1260,1565 J9.12@2055,1565
  Bottom Layer w3: v2(949.02,1340.46) 957.52,1348.96 1045.67,1348.96 1062.67,1331.96 1078.52,1331.96 1094.17,1347.6 1142.4,1347.6 1172.93,1317.07 1176.66,1317.07 1187.01,1327.42
  Bottom Layer w5: 1187.01,1327.42 1190.35,1330.76 1190.35,1495.35 v1(1205,1510)
NetJ9_19: J9.19 MAX1.E3 | length 1687.5
  Top Layer w5: MAX1.E3@917.52,1418.52 v2(917.52,1433.59)
  Int4 (PWR) w3: v2(917.52,1433.59) 902.86,1448.25 902.86,1461.62 881.63,1482.86 856.23,1482.86 835,1504.09 835,1528.24 836.76,1530 840.86,1530 854.93,1544.07 860.95,1544.07 870.03,1553.15 870.03,1559.17 938.88,1628.02 942.88,1632.02
  Int4 (PWR) w5: 942.88,1632.02 958.36,1647.5 1437.5,1647.5 J9.19@2055,2265
NetJ9_20: J9.20 MAX1.J2 | length 2130.5
  Top Layer w5: v2(886.02,1277.46) MAX1.J2@886.02,1292.54
  Int4 (PWR) w3: 772.01,1215 v1(820,1215) ; 772.01,1482.01 839.07,1549.07 856.05,1549.07 865.03,1558.05 865.03,1568.31 928.74,1632.02
  Int4 (PWR) w5: 772.01,1215 767.93,1215 765,1217.93 765,1295 710,1350 710,1420 772.01,1482.01 ; 928.74,1632.02 974.22,1677.5 1367.5,1677.5 J9.20@2055,2365
  Bottom Layer w3: v1(820,1215) 821.78,1215 884.24,1277.46 v2(886.02,1277.46)
NetJ13_1: J13.1 Y2.3 | length 468.9
  Top Layer w5: Y2.3@1858.46,2980.59 1862.4,2980.59 1927.99,2915 1935,2915 1940,2910 1940,2657.93 1937.07,2655 1920,2655 J13.1@1860,2595
NetJ13_2: J13.2 MAX1.F5 | length 1836.6
  Top Layer w5: MAX1.F5@980.51,1387.02 v2(980.51,1402.09)
  Int1 (GND) w5: v1(1290,1520) 1290,2125 J13.2@1860,2695
  Int4 (PWR) w3: v2(980.51,1402.09) 994.98,1416.56 994.98,1492.93 1008.49,1506.44 1108.66,1506.44 1117.6,1497.5 1187.01,1497.5
  Int4 (PWR) w5: 1187.01,1497.5 1267.5,1497.5 v1(1290,1520)
NetJ14_1: J14.1 R19.2 | length 322.7
  Top Layer w5: R19.2@1330.35,2855 1330.35,2800.87 1463.54,2667.68 1463.54,2618.39 1471.93,2610 J14.1@1491.02,2610
NetLED1_2: LED1.2 R4.1 | length 132.4
  Top Layer w5: R4.1@1265.51,3792.65 LED1.2@1265.51,3925.05
NetMAX1_B1: MAX1.B1 P1.5 | length 606.9
  Top Layer w5: MAX1.B1@854.53,1513.01 v2(854.53,1528.08)
  Int1 (GND) w3: 772.01,1445.56 v2(854.53,1528.08)
  Int1 (GND) w5: P1.5@415.51,1159.1 485.55,1159.1 772.01,1445.56
NetMAX1_D3: MAX1.D3 P1.7 | length 704.3
  Top Layer w5: MAX1.D3@917.52,1450.02 v2(917.52,1465.09)
  Int1 (GND) w3: 772.01,1465.03 776.01,1469.03 851.05,1544.07 860.95,1544.07 870.03,1553.15 870.03,1555 872.48,1555 894.52,1532.95 894.52,1488.08 v2(917.52,1465.09)
  Int1 (GND) w5: P1.7@415.51,1259.1 566.08,1259.1 772.01,1465.03
NetMAX1_D5: MAX1.D5 P1.9 | length 751
  Top Layer w5: MAX1.D5@980.51,1450.02 v2(980.51,1465.09)
  Int1 (GND) w3: 772.01,1479.18 843.91,1551.07 858.05,1551.07 881.97,1575 920,1575 989.01,1505.99 989.01,1473.59 v2(980.51,1465.09)
  Int1 (GND) w5: P1.9@415.51,1359.1 651.93,1359.1 772.01,1479.18
NetMAX1_D6: MAX1.D6 P1.11 | length 774.3
  Top Layer w5: v2(1012.01,1434.94) MAX1.D6@1012.01,1450.02
  Int1 (GND) w3: 772.01,1490.33 774.67,1490.33 814.84,1530.49 814.84,1539.84 855,1580 940.61,1580 962.01,1558.6 962.01,1553.98 962.01,1551.91 977.35,1536.58 984.03,1536.58 986.11,1534.5 997.35,1523.26 997.35,1449.6 v2(1012.01,1434.94)
  Int1 (GND) w5: P1.11@415.51,1459.1 586.79,1459.1 618.02,1490.33 772.01,1490.33
NetMAX1_E6: MAX1.E6 P1.6 | length 1025.9
  Top Layer w5: v2(1012.01,1403.45) MAX1.E6@1012.01,1418.52
  Int1 (GND) w3: 772.01,1256.15 814.96,1299.11 897,1299.11 914,1316.11 941.1,1316.11 966.01,1341.02 966.01,1351.15 976.96,1362.1 984.03,1362.1 989.01,1367.08 989.01,1374.12 986.86,1376.28 986.86,1380.42 1006.39,1399.95 1006.61,1399.95 1010.11,1403.45 v2(1012.01,1403.45)
  Int1 (GND) w5: P1.6@315.51,1159.1 352.54,1122.07 352.54,1017.68 374.34,995.88 382.63,995.88 382.88,996.13 511.99,996.13 772.01,1256.15
NetMAX1_F4: MAX1.F4 P1.12 | length 710.6
  Top Layer w5: v2(949.02,1371.95) MAX1.F4@949.02,1387.02
  Int3 (Sign) w3: 772.01,1443.44 891.56,1443.44 925,1410 925,1406.63 926.02,1405.62 926.02,1394.95 v2(949.02,1371.95)
  Int3 (Sign) w5: P1.12@315.51,1459.1 361.98,1459.1 399.01,1422.07 634.6,1422.07 655.97,1443.44 772.01,1443.44
NetMAX1_F7: MAX1.F7 P1.10 | length 1436.5
  Top Layer w5: MAX1.F7@1043.5,1387.02 v2(1043.5,1402.09)
  Int1 (GND) w3: 772.01,1242.01 780,1250 905,1250 999.74,1344.74 1003.51,1340.97 1003.51,1336.94 1008.49,1331.96 1015.53,1331.96 1020.51,1336.94 1020.51,1343.98 1018.3,1346.19 1018.3,1366.22 1020.51,1368.43 1020.51,1375.47 1018.7,1377.29 v2(1043.5,1402.09)
  Int1 (GND) w5: P1.10@315.51,1359.1 315.51,1311.47 278.48,1274.44 278.48,1043.77 313.15,1009.1 317.88,1009.1 352.54,974.44 352.54,952.41 368.48,936.47 368.48,936.16 374.34,930.31 374.65,930.31 409.95,895 425,895 772.01,1242.01
NetMAX1_G5: MAX1.G5 P1.8 | length 1047.5
  Top Layer w5: MAX1.G5@980.51,1355.53 v2(980.51,1370.6)
  Int1 (GND) w3: 772.01,1272.01 848.96,1348.96 938.04,1348.96 959.68,1370.6 v2(980.51,1370.6)
  Int1 (GND) w5: P1.8@315.51,1259.1 315.51,1211.47 378.48,1148.49 378.48,1005.88 378.74,1006.13 392.88,1006.13 396.75,1010 510,1010 772.01,1272.01
NetMAX1_G8: MAX1.G8 R1.1 S1.3 S1.4 | length 2769.6
  Top Layer w5: S1.3@706.42,3436.5 S1.4@706.42,3123.5 706.42,3118.58 727.01,3097.99 731.93,3097.99 821.08,3008.84 v1(931.16,3008.84) 945,2995 R1.1@945,2955 ; v2(1075,1340.46) MAX1.G8@1075,1355.53
  Int3 (Sign) w5: v1(931.16,3008.84) 931.16,2741.16 1225.49,2446.83 1225.49,2244.51 v1(1355,2115)
  Int1 (GND) w3: v1(1170,1345) 1185,1345 1187.01,1347.01
  Int1 (GND) w5: 1187.01,1347.01 1440,1600 1440,1603.18 1444.27,1607.45 1444.27,1816.59 1355,1905.86 v1(1355,2115)
  Bottom Layer w3: v2(1075,1340.46) 1089.54,1355 1165,1355 1165,1351.89 1170,1346.89 v1(1170,1345)
NetMAX1_G9: MAX1.G9 R2.1 S2.3 S2.4 | length 2095.8
  Top Layer w5: MAX1.G9@1106.5,1355.53 v2(1106.5,1370.6) ; S2.3@1116.42,3421.5 S2.4@1116.42,3108.5 1116.42,2974.07 1135,2955.49 R2.1@1135,2955 v1(1135,2800)
  Int2 (Sign) w5: v1(1135,2555) v1(1135,2800)
  Bottom Layer w3: v2(1106.5,1370.6) 1106.5,1390.07 1115,1398.57 1115,1632.02
  Bottom Layer w5: 1115,1632.02 1115,1665.63 1102.5,1678.12 1102.5,2100.31 1135,2132.81 v1(1135,2555)
NetMAX1_H4: MAX1.H4 P1.13 | length 922.5
  Top Layer w5: v2(949.02,1308.96) MAX1.H4@949.02,1324.03
  Int1 (GND) w3: 772.01,1559.1 824.2,1559.1 850.1,1585 944.1,1585 967.01,1562.08 967.01,1553.98 979.42,1541.58 986.1,1541.58 989.75,1537.93 1015.53,1537.93 1020.51,1532.95 1020.51,1525.91 1020,1525.4 1020,1501.97 1020.51,1501.46 1020.51,1494.42 1020,1493.91 1020,1470.47 1020.51,1469.96 1020.51,1463.86 1020,1463.35 1020,1438.97 1020.51,1438.47 1020.51,1431.42 1020,1430.92 1020,1407.48 1020.51,1406.97 1020.51,1399.93 1015.53,1394.95 1008.46,1394.95 991.86,1378.35 994.01,1376.19 994.01,1365.01 986.1,1357.1 979.03,1357.1 972.01,1350.08 972.01,1331.96 v2(949.02,1308.96)
  Int1 (GND) w5: P1.13@415.51,1559.1 772.01,1559.1
NetMAX1_H5: MAX1.H5 P1.15 | length 912.6
  Top Layer w5: MAX1.H5@980.51,1324.03 v2(980.51,1339.1)
  Int1 (GND) w3: 772.01,1585 843.03,1585 850.03,1592 945.58,1592 952.58,1585 960,1585 972.01,1572.99 972.01,1556.05 981.49,1546.58 988.17,1546.58 990.25,1544.5 1008.96,1544.5 1010.53,1542.93 1017.6,1542.93 1025.51,1535.03 1025.51,1523.84 1025,1523.33 1025,1504.04 1025.51,1503.53 1025.51,1492.35 1025,1491.84 1025,1472.54 1025.51,1472.03 1025.51,1461.79 1025.51,1460.85 1025,1460.34 1025,1441.04 1025.51,1440.54 1025.51,1429.35 1025,1428.85 1025,1409.55 1025.51,1409.04 1025.51,1397.86 1017.6,1389.95 1010.53,1389.95 1003.51,1382.93 1003.51,1362.1 v2(980.51,1339.1)
  Int1 (GND) w5: P1.15@415.51,1659.1 489.61,1585 772.01,1585
NetMAX1_H8: MAX1.H8 P1.17 | length 861
  Top Layer w5: v2(1075,1308.96) MAX1.H8@1075,1324.03
  Int2 (Sign) w3: 772.01,1402.61 844.01,1330.6 1053.36,1330.6 v2(1075,1308.96)
  Int2 (Sign) w5: P1.17@415.51,1759.1 772.01,1402.61
NetMAX1_H9: MAX1.H9 P1.19 | length 957.5
  Top Layer w5: MAX1.H9@1106.5,1324.03 v2(1106.5,1339.1)
  Int2 (Sign) w3: 772.01,1441.1 851.01,1362.1 1083.5,1362.1 v2(1106.5,1339.1)
  Int2 (Sign) w5: P1.19@415.51,1859.1 645,1629.61 645,1568.1 772.01,1441.1
NetMAX1_J8: MAX1.J8 P1.2 | length 937.1
  Top Layer w5: v2(1075,1277.46) MAX1.J8@1075,1292.54
  Int2 (Sign) w3: 989.56,1192.02 v2(1075,1277.46)
  Int2 (Sign) w5: P1.2@315.51,959.1 375.99,1019.58 375.99,1071.94 416.12,1112.07 434.99,1112.07 444.99,1122.07 919.61,1122.07 989.56,1192.02
NetMAX1_J9: MAX1.J9 P1.4 | length 909.1
  Top Layer w5: MAX1.J9@1106.5,1292.54 v2(1106.5,1307.61)
  Int2 (Sign) w3: 975.42,1192.02 977.02,1192.02 1080.46,1295.46 1080.59,1295.46 1088.5,1303.37 1088.5,1303.5 1092.61,1307.61 v2(1106.5,1307.61)
  Int2 (Sign) w5: P1.4@315.51,1059.1 319.05,1062.64 352.54,1062.64 411.98,1122.07 430.85,1122.07 500.8,1192.02 975.42,1192.02
pads on no net: IC1.7 IC1.11 IC1.14 IC1.15 IC1.16 IC3.2 IC3.5 IC4.4 IC6.6 IC11.13 IC12.13 IC12.14 IC12.15 IC12.16 IC12.29 IC12.31 IC12.33 IC15.2 IC15.5 IC16.2 IC16.5 J2.2 J2.4 J4.4 J4.6 J4.7 J4.8 J4.9 J4.10 J4.11 J5.2 J5.4 J5.5 J5.6 J5.7 J5.8 J7.6 J7.7 J7.8 J8.7 J9.2 J9.23 J11.4 J11.6 J11.7 J11.8 J11.9 J11.10 J11.11 P1.14 P1.16 P1.18 P1.20

## Polygon pours and split planes (outlines as drawn)
GND on Bottom Layer "GND_L06_P008" (solid, remove dead copper, pour order 8): 0,4240 2130,4240 2135,4235 2135,0 0,0
NetC5_1 on Bottom Layer "NETC5_1_L06_P000" (solid, remove dead copper, pour order 0): 110,4060 1705,4060 1705,2290 1695,2280 105,2280
GND on Int1 (GND) "GND_L02_P006" (solid, remove dead copper, pour order 6): 0,4240 2135,4240 2135,0 0,0
GND on Int2 (Sign) "GND_L03_P010" (solid, remove dead copper, pour order 10): 0,4240 2135,4240 2135,0 0,0
GND on Int3 (Sign) "GND_L04_P012" (solid, remove dead copper, pour order 12): 0,4240 2135,4240 2135,0 0,0
GND on Int4 (PWR) "GND_L05_P014" (solid, remove dead copper, pour order 14): 0,4240 2135,4240 2135,0 0,0
GND on Top Layer "GND_L01_P004" (solid, remove dead copper, pour order 4): 0,4240 2135,4240 2135,0 0,0

## Silkscreen, mask and mechanical layers (free items; w line width, h text height)
Top Overlay:
  text "Neural Network Enabled IoT Board (NEIB)" at 200,155 h20 r90
  text "Indian Institute of Space Science and Technology" at 115,140 h20 r90
Bottom Overlay:
  text "Power Segment" at 1000,2990 h20 r270
  text "Creators:" at 1175,1975 h20
  text "Dhruva Anantha Datta" at 1405,1910 h20
  text "Aroshish Priyadarshan" at 1410,1840 h20
  text "Neural Network  / Accelerator - MAX78000" at 535,885 h20 r270

## Text inside footprints (layer, text, board x,y; h text height)
P1: Top Overlay "20" at 335.51,1919.1 h50 r90; Top Overlay "19" at 435.51,1919.1 h50 r90; Top Overlay "1" at 435.51,859.1 h50 r90; Top Overlay "2" at 335.51,859.1 h50 r90